# Altium PCB Controller A20.PcbDoc (part 1 of 2) (continued)
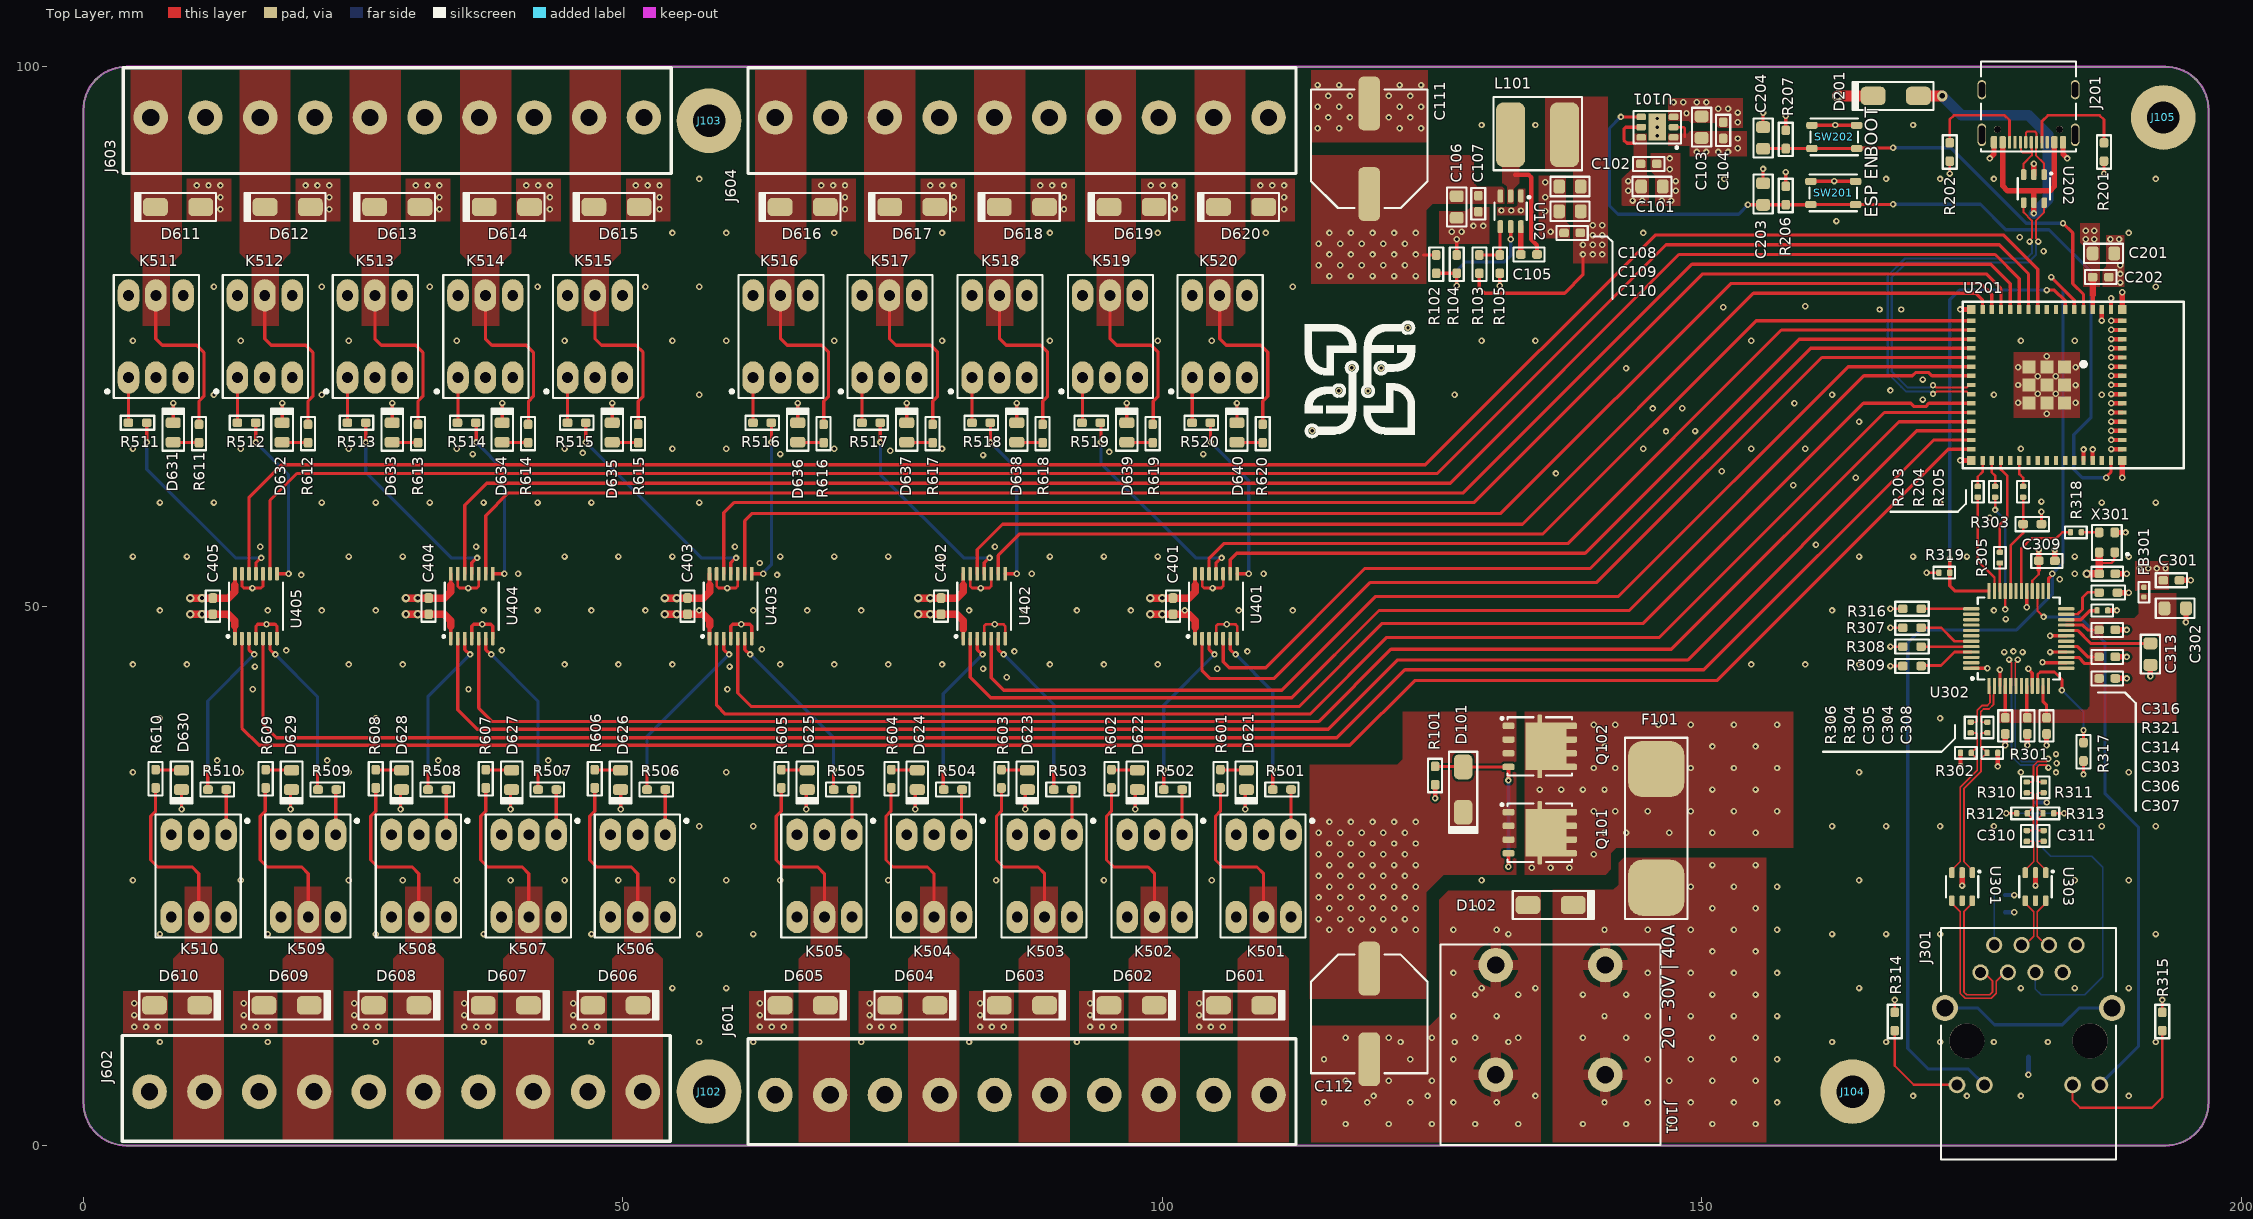
[diagram p0: Top Layer view]
## Part data (continued)
R101 R103 R104: library part "RES 162k", "162 kOhms ±1% 0.1W, 1/10W Chip Resistor 0603 (1608 Metric) Moisture Resistant Thick Film", Manufacturer=YAGEO, Mfr. Part #=RC0603FR-07162KL, Package=0603, ComponentLink1Description=Datasheet, ComponentLink1URL=https://www.yageogroup.com/content/datasheet/asset/file/PYU-RT_1-TO-0-01_ROHS_L, ComponentLink2Description="Distributor Link", ComponentLink2URL=https://www.digikey.com/en/products/detail/yageo/RC0603FR-07162KL/726975, Ext. Price=0.06, Qty.=10, Supplier=DigiKey, Supplier Part #=311-162KHRCT-ND, Unit Price=0.006
R102: library part "RES 2.4M", "2.4 MOhms ±1% 0.1W, 1/10W Chip Resistor 0603 (1608 Metric) Moisture Resistant Thick Film", Manufacturer=YAGEO, Mfr. Part #=RC0603FR-072M4L, Package=0603, ComponentLink1Description=Datasheet, ComponentLink1URL=https://www.yageogroup.com/content/datasheet/asset/file/PYU-RT_1-TO-0-01_ROHS_L, ComponentLink2Description="Distributor Link", ComponentLink2URL=https://www.digikey.com/en/products/detail/yageo/RC0603FR-072M4L/5918310, Ext. Price=0.11, Qty.=10, Supplier=DigiKey, Supplier Part #=13-RC0603FR-072M4LCT-ND, Unit Price=0.011
R105: library part "RES 22.1k", "22.1 kOhms ±1% 0.1W, 1/10W Chip Resistor 0603 (1608 Metric) Thin Film", Manufacturer=YAGEO, Mfr. Part #=RT0603FRE0722K1L, Package=0603, ComponentLink1Description=Datasheet, ComponentLink1URL=https://www.yageogroup.com/content/datasheet/asset/file/PYU-RT_1-TO-0-01_ROHS_L, ComponentLink2Description="Distributor Link", ComponentLink2URL=https://www.digikey.com/en/products/detail/yageo/RT0603FRE0722K1L/1075211, Ext. Price=0.14, Qty.=10, Supplier=DigiKey, Supplier Part #=13-RT0603FRE0722K1LCT-ND, Unit Price=0.014
R201 R202: library part "RES 5.1k", "5.1 kOhms ±1% 0.1W, 1/10W Chip Resistor 0603 (1608 Metric) Moisture Resistant Thick Film", Manufacturer=YAGEO, Mfr. Part #=RC0603FR-075K1L, Package=0603, ComponentLink1Description=Datasheet, ComponentLink1URL=https://www.yageogroup.com/content/datasheet/asset/file/PYU-RC_GROUP_51_ROHS_L, ComponentLink2Description="Distributor Link", ComponentLink2URL=https://www.digikey.com/en/products/detail/yageo/RC0603FR-075K1L/727268, Ext. Price=0.07, Qty.=10, Supplier=DigiKey, Supplier Part #=311-5.10KHRCT-ND, Unit Price=0.007
R203 R204 R205 R304 R305 R306 R310 R311 R318: library part "RES 22R", "22 Ohms ±1% 0.063W, 1/16W Chip Resistor 0402 (1005 Metric) Moisture Resistant Thick Film", Manufacturer=YAGEO, Mfr. Part #=RC0402FR-0722RL, Package=0402, ComponentLink1Description=Datasheet, ComponentLink1URL=https://www.yageogroup.com/content/datasheet/asset/file/PYU-RC_GROUP_51_ROHS_L, ComponentLink2Description="Distributor Link", ComponentLink2URL=https://www.digikey.com/en/products/detail/yageo/RC0402FR-0722RL/726562, Ext. Price=0.07, Qty.=10, Supplier=DigiKey, Supplier Part #=311-22.0LRCT-ND, Unit Price=0.007
R206 R207 R317 R601 R602 R603 R604 R605 R606 R607 R608 R609 R610 R611 R612 R613 R614 R615 R616 R617 R618 R619 R620: library part "RES 12.4k", "12.4 kOhms ±1% 0.1W, 1/10W Chip Resistor 0603 (1608 Metric) Moisture Resistant Thick Film", Manufacturer=YAGEO, Mfr. Part #=RC0603FR-0712K4L, Package=0603, ComponentLink1Description=Datasheet, ComponentLink1URL=https://www.yageogroup.com/content/datasheet/asset/file/PYU-RT_1-TO-0-01_ROHS_L, ComponentLink2Description="Distributor Link", ComponentLink2URL=https://www.digikey.com/en/products/detail/yageo/RC0603FR-0712K4L/726917, Ext. Price=0.07, Qty.=10, Supplier=DigiKey, Supplier Part #=311-12.4KHRCT-ND, Unit Price=0.007
R301 R302 R312 R313: library part "RES 49.9R", "49.9 Ohms ±1% 0.063W, 1/16W Chip Resistor 0402 (1005 Metric) Moisture Resistant Thick Film", Manufacturer=YAGEO, Mfr. Part #=RC0402FR-0749R9L, Package=0402, ComponentLink1Description=Datasheet, ComponentLink1URL=https://www.yageogroup.com/content/datasheet/asset/file/PYU-RC_GROUP_51_ROHS_L, ComponentLink2Description="Distributor Link", ComponentLink2URL=https://www.digikey.com/en/products/detail/yageo/RC0402FR-0749R9L/726621, Ext. Price=0.2, Qty.=10, Supplier=DigiKey, Supplier Part #=311-49.9LRCT-ND, Unit Price=0.02
R303 R307 R308 R309 R316 R321: library part "RES 4.7k", "4.7 kOhms ±1% 0.1W, 1/10W Chip Resistor 0603 (1608 Metric) Moisture Resistant Thick Film", Manufacturer=YAGEO, Mfr. Part #=RC0603FR-074K7L, Package=0603, ComponentLink1Description=Datasheet, ComponentLink1URL=https://www.yageogroup.com/content/datasheet/asset/file/PYU-RC_GROUP_51_ROHS_L, ComponentLink2Description="Distributor Link", ComponentLink2URL=https://www.digikey.com/en/products/detail/yageo/RC0603FR-074K7L/727212, Ext. Price=0.09, Qty.=10, Supplier=DigiKey, Supplier Part #=311-4.70KHRCT-ND, Unit Price=0.009
R314 R315 R501 R502 R503 R504 R505 R506 R507 R508 R509 R510 R511 R512 R513 R514 R515 R516 R517 R518 R519 R520: library part "RES 470R", "470 Ohms ±1% 0.1W, 1/10W Chip Resistor 0603 (1608 Metric) Thin Film", Manufacturer=YAGEO, Mfr. Part #=RT0603FRE07470RL, Package=0603, ComponentLink1Description=Datasheet, ComponentLink1URL=https://www.yageogroup.com/content/datasheet/asset/file/PYU-RT_1-TO-0-01_ROHS_L, ComponentLink2Description="Distributor Link", ComponentLink2URL=https://www.digikey.com/en/products/detail/yageo/RT0603FRE07470RL/1075383, Ext. Price=0.1, Qty.=10, Supplier=DigiKey, Supplier Part #=YAG5742CT-ND, Unit Price=0.01
R319 R320: library part "RES 10R", "10 Ohms ±1% 0.063W, 1/16W Chip Resistor 0402 (1005 Metric) Automotive AEC-Q200, Moisture Resistant Thick Film", Manufacturer=YAGEO, Mfr. Part #=AC0402FR-0710RL, Package=0402, ComponentLink1Description=Datasheet, ComponentLink1URL=https://www.yageogroup.com/content/datasheet/asset/file/PYU-AC_51_ROHS_L, ComponentLink2Description="Distributor Link", ComponentLink2URL=https://www.digikey.com/en/products/detail/yageo/AC0402FR-0710RL/5895033, Ext. Price=0.1, Qty.=10, Supplier=DigiKey, Supplier Part #=YAG3438CT-ND, Unit Price=0.01
SW201 SW202: library part "Tactile Switch", "Without Bracket 3.2mm 2.5mm Oval Button Surface Mount,Vertical 4.2mm SPST 1,000,000 Cycles 16V 1.57N SMD Tactile Switches ROHS", Manufacturer=ALPSALPINE, Package=SMD, ComponentLink1Description=Datasheet, ComponentLink1URL=https://tech.alpsalpine.com/cms.media/product_spec_skrpane010_en_1e0076b4ef.pdf, ComponentLink2Description="Distributor Link", ComponentLink2URL=https://www.digikey.com/en/products/detail/alps-alpine/SKRPANE010/26519635?s=N4IgTCBcDaIMoGkBKAFAggOQKIAYCMOIAugL5A, Ext. Price=0.27, Mfr. Part #=SKRPANE010, Qty.=1, Supplier=DigiKey, Supplier Part #=4809-SKRPANE010CT-ND, Unit Price=0.27
U101: library part "LDO 3V3 2A", "Linear Voltage Regulator IC Positive Fixed 1 Output 2A 6-DFN (3x3)", Manufacturer=STMicroelectronics, Package=DFN-6(3x3), ComponentLink1Description=Datasheet, ComponentLink1URL=https://www.st.com/content/ccc/resource/technical/document/datasheet/4b/e6/2e/a4/16/04/46/9d/DM00102135.pdf/files/DM00102135.pdf/jcr:content/translations/en.DM00102135.pdf, ComponentLink2Description="Distributor Link", ComponentLink2URL=https://www.digikey.com/en/products/detail/stmicroelectronics/LD39200PU33R/5131797, Ext. Price=1.05, Mfr. Part #=LD39200PU33R, Qty.=1, Supplier=DigiKey, Supplier Part #=497-15229-1-ND, Unit Price=1.05
U102: library part "LMR51430YDDCR Buck Converter", "Buck Switching Regulator IC Positive Adjustable 0.6V 1 Output 3A SOT-23-6 Thin, TSOT-23-6", Manufacturer="Texas Instruments", Package=TSOT-23-6, ComponentLink1Description=Datasheet, ComponentLink1URL=https://www.ti.com/lit/ds/symlink/lmr51430.pdf, ComponentLink2Description="Distributor Link", ComponentLink2URL=https://www.digikey.com/en/products/detail/texas-instruments/LMR51430YDDCR/17878361?s=N4IgTCBcDaIDIFkBKBWAjAFgMwAYCaAIgQMJIgC6AvkA, Ext. Price=1.58, Mfr. Part #=LMR51430YDDCR, Qty.=1, Supplier=DigiKey, Supplier Part #=296-LMR51430YDDCRCT-ND, Unit Price=1.58
U201: "Small-sized module supporting 2.4 GHz Wi-Fi (802.11b/g/n) and Bluetooth® 5 / Built around ESP32-S3 series of SoCs, Xtensa® dual-core 32-bit LX7 microprocessor. / Flash up to 8 MB, optional 2 MB PSRAM in chip package. / 39 GPIOs, rich set of peripherals", Manufacturer="Espressif Systems", Package=SMD, ComponentLink1Description=Datasheet, ComponentLink1URL=https://documentation.espressif.com/esp32-s3-mini-1_mini-1u_datasheet_en.pdf, ComponentLink2Description="Distributor Link", ComponentLink2URL=https://www.digikey.com/en/products/detail/espressif-systems/ESP32-S3-MINI-1-N8/15295890, Ext. Price=5.28, Mfr. Part #=ESP32-S3-MINI-1-N8, Qty.=1, Supplier=DigiKey, Supplier Part #=5407-ESP32-S3-MINI-1-N8CT-ND, Unit Price=5.28
U202 U301 U303: library part "USBLC6-2SC6 ESD Array 5.25VRWM", "17V Clamp 5A (8/20µs) Ipp Tvs Diode Surface Mount SOT-23-6", Manufacturer=STMicroelectronics, Package=SOT-23-6L, ComponentLink1Description=Datasheet, ComponentLink1URL=https://www.st.com/content/ccc/resource/technical/document/datasheet/06/1d/48/9c/6c/20/4a/b2/CD00050750.pdf/files/CD00050750.pdf/jcr:content/translations/en.CD00050750.pdf, ComponentLink2Description="Distributor Link", ComponentLink2URL=https://www.digikey.com/en/products/detail/stmicroelectronics/USBLC6-2SC6/1040559, Ext. Price=0.36, Mfr. Part #=USBLC6-2SC6, Qty.=1, Supplier=DigiKey, Supplier Part #=497-5235-1-ND, Unit Price=0.36
U302: library part "W5500 SPI to Ethernet", "Ethernet Controller 10/100 Base-T/TX PHY SPI Interface 48-LQFP (7x7)", Manufacturer=WIZnet, Package=LQFP-48(7x7), ComponentLink1Description=Datasheet, ComponentLink1URL=https://docs.wiznet.io/img/products/w5500/W5500_ds_v110e.pdf, ComponentLink2Description="Distributor Link", ComponentLink2URL=https://www.digikey.com/en/products/detail/wiznet/W5500/4425702, Ext. Price=3.67, Mfr. Part #=W5500, Qty.=1, Supplier=DigiKey, Supplier Part #=1278-W5500CT-ND, Unit Price=3.67
U401 U402 U403 U404 U405: library part "SN74LV4T125PWR Non-Inverting Buffer", "Buffer, Non-Inverting 4 Element 1 Bit per Element 3-State Output 14-TSSOP", Manufacturer="Texas Instruments", Package=14-TSSOP, ComponentLink1Description=Datasheet, ComponentLink1URL=https://www.ti.com/lit/ds/symlink/sn74lv4t125.pdf?HQS=dis-dk-null-digikeymode-dsf-pf-null-wwe&ts=1762330787956&ref_url=https%253A%252F%252Fwww.ti.com%252Fgeneral%252Fdocs%252Fsuppproductinfo.tsp%253FdistId%253D10%2526gotoUrl%253Dhttps%253A%252F%252Fwww.ti.com%252Flit%252Fgpn%252Fsn74lv4t125, ComponentLink2Description="Distributor Link", ComponentLink2URL=https://www.digikey.com/en/products/detail/texas-instruments/SN74LV4T125PWR/4806529, Ext. Price=0.79, Mfr. Part #=SN74LV4T125PWR, Qty.=1, Supplier=DigiKey, Supplier Part #=296-40545-1-ND, Unit Price=0.79
X301: library part "25MHz HCMOS Oscillator", "25 MHz XO (Standard) HCMOS Oscillator 1.6V ~ 3.6V Enable/Disable 4-SMD, No Lead", Manufacturer="ECS Inc.", Package="4-SMD (2.5x2)", ComponentLink1Description=Datasheet, ComponentLink1URL=https://ecsxtal.com/store/pdf/ECS-2520MV.pdf, ComponentLink2Description="Distributor Link", ComponentLink2URL=https://www.digikey.com/en/products/detail/ecs-inc/ECS-2520MV-250-BN-TR/8593607?s=N4IgTCBcDaIKIGEDKBaMBWMAGAsgNTXSxQCEA5FAFQCUQBdAXyA, Ext. Price=1.16, Mfr. Part #=ECS-2520MV-250-BN-TR, Qty.=1, Supplier=DigiKey, Supplier Part #=XC2751CT-ND, Unit Price=1.16

## Via types
v1: diameter 0.6, hole 0.3, Top Layer to Bottom Layer, tented both sides, 842 vias
v2: diameter 0.8, hole 0.4, Top Layer to Bottom Layer, tented both sides, 21 vias
v3: diameter 0.6, hole 0.3, Top Layer to Bottom Layer, tented top, 7 vias
v4: diameter 0.6, hole 0.3, Top Layer to Bottom Layer, tented bottom, 6 vias
v5: diameter 1, hole 0.5, Top Layer to Bottom Layer, tented both sides, 2 vias

## Nets (pads, with @x,y where several pads share a name; then routed paths per layer and width w, separated by ;. In a path a pad name is that pad's centre, name@x,y a point inside that pad or via, vN(x,y) a via of type N, cw(c..) or ccw(c..) an arc to the next point about the centre after c; other vN are vias at no path point)
1V20: C314.2 U302.22 | length 3.2
  Top Layer w0.3: U302.22@183.8,48.75 185.15,48.75 185.968,49.568 186.618,49.568 C314.2@186.65,49.6
+3V3: C103.2 C104.2 C201.2 C202.2 C301.2 C309.2 C316.2 FB301.1 R206.2 R207.2 R301.2 R302.2 R303.2 R307.2 R308.2 R309.2 R314.1 R315.1 R316.2 R319.2 R320.2 U101.1 U101.2 U201.3 U302.28 X301.1 X301.4 | length 29.6
  Top Layer w0.2: U302.28@180.65,51.4 180.65,52.35 181.25,52.95 181.25,53.35 ; 186.85,53.995 187.995,53.995 188.25,54.25 X301.1@188.25,54.983
  Top Layer w0.25: U101.2@147.4,94.4 148.304,94.4 148.45,94.254 148.45,93.525 ; v1(167.5,44.45) R309.2@168.65,44.45 ; v1(167.5,46.25) R308.2@168.65,46.25 ; v1(167.5,48.004) R307.2@168.65,48.004 ; v1(167.5,49.758) R316.2@168.65,49.758 ; R314.1@167.9,12.35 v1(167.9,13.5) ; v1(170.85,53.1) R319.2@172,53.1 ; R303.2@181.5,57.6 v1(181.5,58.75) v1@181.5,58.85 ; R315.1@192.7,12.35 v1(192.7,13.5)
  Top Layer w0.3: R206.2@157.804,88.916 v1(157.804,90.241) ; R207.2@157.804,94.116 v1(157.804,95.441)
  Top Layer w0.4: v1(174,35.15) R302.2@174,36.4 ; v1(177.454,35.15) R301.2@177.454,36.4 ; 181.25,53.35 C309.2@181.25,54.2 ; U201.3@186.25,77.5 186.25,78.85
  Top Layer w0.5: C309.2@181.25,54.2 v1(181.25,55.25)
  Top Layer w0.6: 186.25,78.85 C202.2@186.25,80.5
  Top Layer w0.7: v2(185.7,53) C316.2@186.842,53 ; C316.2@186.85,53.008 186.85,53.995 X301.4@186.85,54.983
  Bottom Layer w0.4: R320.2@178.125,23.225 v1(178.975,23.225)
  other v1: 190.6,53.5 191.4,53.5 192.2,53.5 193,53.5 185.6,84 186.4,84 185.6,84.8 186.4,84.8 149.55,92.1 150.45,92.1 151.55,92.1 152.45,92.1 153.35,92.45 153.35,93.35
+3V3A: C302.2 C303.2 C304.2 C305.2 C306.2 C307.2 C308.2 FB301.2 U302.4 | length 18.4
  Top Layer w0.3: C305.2@178.148,39.654 178.15,39.657 U302.4@178.15,42.6 ; C304.2@179.981,39.631 180.15,39.8 U302.4@180.15,42.6 ; U302.4@181.65,42.6 181.65,41.15 181.975,40.825 C308.2@181.975,39.65 ; U302.4@183.8,45.25 184.95,45.25 185.525,44.675 186.225,44.675 ; U302.4@183.8,46.25 184.85,46.25 185.8,45.3 C306.2@186.85,45.3 ; U302.4@183.8,48.25 185.35,48.25 185.8,47.8 C303.2@186.85,47.8
+5V: C101.2 C102.2 C108.2 C109.2 C110.2 C401.2 C402.2 C403.2 C404.2 C405.2 D201.2 L101.2 R103.2 U101.5 U101.6 U401.14 U402.14 U403.14 U404.14 U405.14 | length 78.2
  Top Layer w0.3: R103.2@129.4,80.85 129.4,79.5 129.9,79 137.3,79 139,80.7 v1(139,82.6) ; 143.8,92.9 143.1,92.9 142.8,93.2 142.8,94.224 142.976,94.4 U101.5@144.4,94.4
  Top Layer w0.35: 14.05,51.95 U405.14@14.05,53 ; 34.05,51.95 U404.14@34.05,53 ; 58.05,51.95 U403.14@58.05,53 ; 81.55,51.95 U402.14@81.55,53 ; 103.05,51.95 U401.14@103.05,53
  Top Layer w0.7: v2(9.9,50.75) 13.45,50.75 14.05,51.35 14.05,51.95 ; v2(29.9,50.75) 33.45,50.75 34.05,51.35 34.05,51.95 ; v2(53.9,50.75) C403.2@56,50.75 57.45,50.75 58.05,51.35 58.05,51.95 ; v2(77.4,50.75) 80.95,50.75 81.55,51.35 81.55,51.95 ; v2(98.9,50.75) C401.2@101,50.75 102.45,50.75 103.05,51.35 103.05,51.95
  Top Layer w1: v5(162.6,97.3) D201.2@165.9,97.3
  L3 (PWR) w1: 144.4,89.3 144.4,97.1 145.8,98.5 161.4,98.5 v5(162.6,97.3)
  other v1: 139.9,82.6 140.8,82.6 139,83.5 139.9,83.5 140.8,83.5 139.9,84.4 140.8,84.4 139.9,85.3 140.8,85.3 143.6,87.6 144.5,87.6 143.2,88.5 143.2,89.4
  other v2: 11,50.75 31,50.75 55,50.75 78.5,50.75 100,50.75
+24V: C106.2 C107.2 C111.1 C112.1 D101.2 K501.4 K501.6 K502.4 K502.6 K503.4 K503.6 K504.4 K504.6 K505.4 K505.6 K506.4 K506.6 K507.4 K507.6 K508.4 K508.6 K509.4 K509.6 K510.4 K510.6 K511.4 K511.6 K512.4 K512.6 K513.4 K513.6 K514.4 K514.6 K515.4 K515.6 K516.4 K516.6 K517.4 K517.6 K518.4 K518.6 K519.4 K519.6 K520.4 K520.6 Q101.1 Q102.1 R102.2 U102.3 | length 1.1
  Top Layer w0.3: 124.25,82.55 R102.2@125.4,82.55
  other v1: 115.5,20 117.5,20 119.5,20 121.5,20 123.5,20 114.5,21 116.5,21 118.5,21 120.5,21 122.5,21 115.5,22 117.5,22 119.5,22 121.5,22 123.5,22 114.5,23 116.5,23 118.5,23 120.5,23 122.5,23 115.5,24 117.5,24 119.5,24 121.5,24 123.5,24 114.5,25 116.5,25 118.5,25 120.5,25 122.5,25 115.5,26 117.5,26 119.5,26 121.5,26 123.5,26 114.5,27 116.5,27 118.5,27 120.5,27 122.5,27 115.5,28 117.5,28 119.5,28 121.5,28 123.5,28 114.5,29 116.5,29 118.5,29 120.5,29 122.5,29 115.5,30 117.5,30 119.5,30 121.5,30 123.5,30 115.5,80.6 117.5,80.6 119.5,80.6 121.5,80.6 123.5,80.6 114.5,81.6 116.5,81.6 118.5,81.6 120.5,81.6 122.5,81.6 115.5,82.6 117.5,82.6 119.5,82.6 121.5,82.6 123.5,82.6 114.5,83.6 116.5,83.6 118.5,83.6 120.5,83.6 122.5,83.6 115.5,84.6 117.5,84.6 119.5,84.6 121.5,84.6 123.5,84.6
Buck_EN: R102.1 R104.2 U102.5 | length 12.7
  Top Layer w0.3: R102.1@125.4,80.85 R104.2@127.3,80.85 v1(127.3,79.7) ; v1(132.3,84) U102.5@132.3,85.175
  Bottom Layer w0.3: v1(127.3,79.7) 127.3,81.1 128.1,81.9 131.7,81.9 132.3,82.5 v1(132.3,84)
BUFF_IN1: U201.19 U401.5 | length 84
  Top Layer w0.3: U401.5@105.65,47 105.65,44.85 106.2,44.3 109.6,44.3 118.8,53.5 139.7,53.5 160.1,73.9 U201.19@175,73.9
BUFF_IN2: U201.20 U401.2 | length 86.9
  Top Layer w0.3: U401.2@103.7,47 103.7,44 104.4,43.3 110.4,43.3 119.3,52.2 140.3,52.2 161.15,73.05 U201.20@175,73.05
BUFF_IN3: U201.21 U402.5 | length 107.4
  Top Layer w0.3: U402.5@84.15,47 84.15,43.35 85.3,42.2 111.1,42.2 119.8,50.9 142.3,50.9 163.6,72.2 U201.21@175,72.2
BUFF_IN4: U201.22 U402.2 | length 109.8
  Top Layer w0.3: U402.2@82.2,47 82.2,43.4 84.1,41.5 112,41.5 120.1,49.6 143.3,49.6 165.05,71.35 169.531,71.35 169.831,71.65 171.05,71.65 171.35,71.35 U201.22@175,71.35
BUFF_IN5: U201.25 U403.5 | length 131.8
  Top Layer w0.3: U403.5@60.65,47 60.65,41.95 61.9,40.7 112.7,40.7 120.4,48.4 144.6,48.4 165,68.8 169.4,68.8 169.7,68.5 170.769,68.5 171.069,68.8 U201.25@175,68.8
BUFF_IN6: U201.26 U403.2 | length 134.4
  Top Layer w0.3: U403.2@58.7,47 58.7,40.8 59.5,40 113.7,40 120.8,47.1 146.1,47.1 166.95,67.95 U201.26@175,67.95
BUFF_IN7: U201.27 U404.5 | length 156.8
  Top Layer w0.3: U404.5@36.65,47 36.65,40.55 37.9,39.3 114.5,39.3 121.2,46 147.2,46 168.3,67.1 U201.27@175,67.1
BUFF_IN8: U201.28 U404.2 | length 159.1
  Top Layer w0.3: U404.2@34.7,47 34.7,40.4 36.5,38.6 115.4,38.6 121.8,45 148.7,45 169.95,66.25 U201.28@175,66.25
BUFF_IN9: U201.29 U405.5 | length 178.3
  Top Layer w0.3: U405.5@16.65,47 16.65,39.05 17.9,37.8 116.2,37.8 122.5,44.1 150.2,44.1 171.5,65.4 U201.29@175,65.4
BUFF_IN10: U201.30 U405.2 | length 180.6
  Top Layer w0.3: U405.2@14.7,47 14.7,38.7 16.3,37.1 117.4,37.1 123.4,43.1 151.4,43.1 172.85,64.55 U201.30@175,64.55
BUFF_IN11: U201.9 U405.12 | length 188
  Top Layer w0.3: U405.12@15.35,53 15.35,60.05 18.4,63.1 124.4,63.1 145.7,84.4 178,84.4 181.15,81.25 U201.9@181.15,77.5
BUFF_IN12: U201.10 U405.9 | length 184
  Top Layer w0.3: U405.9@17.3,53 17.3,59.8 19.8,62.3 125.5,62.3 146.7,83.5 177.6,83.5 180.3,80.8 U201.10@180.3,77.5
BUFF_IN13: U201.11 U404.12 | length 163.9
  Top Layer w0.3: U404.12@35.35,53 35.35,59.35 37.4,61.4 126.7,61.4 147.9,82.6 177.2,82.6 179.45,80.35 U201.11@179.45,77.5
BUFF_IN14: U201.12 U404.9 | length 159.5
  Top Layer w0.3: U404.9@37.3,53 37.3,58.4 39.4,60.5 127.9,60.5 149.1,81.7 176.8,81.7 178.6,79.9 U201.12@178.6,77.5
BUFF_IN15: U201.13 U403.12 | length 136
  Top Layer w0.3: U403.12@59.35,53 59.35,58.65 60.3,59.6 128.9,59.6 150.1,80.8 176.4,80.8 177.75,79.45 U201.13@177.75,77.255
BUFF_IN16: U201.14 U403.9 | length 131.4
  Top Layer w0.3: U403.9@61.3,53 61.3,57.9 62,58.6 131.4,58.6 152.7,79.9 175.9,79.9 176.9,78.9 U201.14@176.9,77.5
BUFF_IN17: U201.15 U402.12 | length 106.4
  Top Layer w0.3: U402.12@82.85,53 82.85,55.25 85.2,57.6 133.4,57.6 154.8,79 175.4,79 176.05,78.35 U201.15@176.05,77.5
BUFF_IN18: U201.16 U402.9 | length 100.9
  Top Layer w0.3: U402.9@84.8,53 84.8,54.7 86.8,56.7 135.3,56.7 155.05,76.45 U201.16@175,76.45
BUFF_IN19: U201.17 U401.12 | length 80.9
  Top Layer w0.3: U401.12@104.35,53 104.35,54.45 105.7,55.8 137.6,55.8 157.4,75.6 U201.17@175,75.6
BUFF_IN20: U201.18 U401.9 | length 78.5
  Top Layer w0.3: U401.9@106.3,53 106.3,54.3 106.9,54.9 139.2,54.9 159.05,74.75 U201.18@175,74.75
BUFF_OUT1: R501.1 U401.6 | length 15.6
  Top Layer w0.3: U401.6@106.3,47 106.3,45.975 v1@106.75,45.525 ; v1(110.241,34.82) 110.243,34.818 110.243,32.997 R501.1@110.245,32.995
  Bottom Layer w0.3: v1(106.8,45.525) 110.241,42.084 v1(110.241,34.82)
BUFF_OUT2: R502.1 U401.3 | length 16.1
  Top Layer w0.3: v1(100.141,34.82) 100.143,34.818 100.143,32.997 R502.1@100.145,32.995 ; U401.3@104.35,47 104.35,45.975 v1@104.8,45.525
  Bottom Layer w0.3: v1(100.141,34.82) 100.141,40.816 v1(104.85,45.525)
BUFF_OUT3: R503.1 U402.6 | length 16.1
  Top Layer w0.3: U402.6@84.8,47 84.8,45.975 v1@85.25,45.525 ; v1(89.941,34.82) 89.943,34.818 89.943,32.997 R503.1@89.945,32.995
  Bottom Layer w0.3: v1(85.3,45.525) 89.941,40.884 v1(89.941,34.82)
BUFF_OUT4: R504.1 U402.3 | length 15.7
  Top Layer w0.3: v1(79.697,34.82) 79.699,34.818 79.699,32.997 R504.1@79.701,32.995 ; U402.3@82.85,47 82.85,45.975 v1@83.3,45.525
  Bottom Layer w0.3: v1(79.697,34.82) 79.697,41.872 v1(83.35,45.525)
BUFF_OUT5: R505.1 U403.6 | length 17.4
  Top Layer w0.3: U403.6@61.3,47 61.3,45.975 v1@61.75,45.525 ; v1(69.537,34.82) 69.539,34.818 69.539,32.997 R505.1@69.541,32.995
  Bottom Layer w0.3: v1(61.8,45.525) 69.537,37.788 v1(69.537,34.82)
BUFF_OUT6: R506.1 U403.3 | length 17.3
  Top Layer w0.3: v1(52.24,34.82) 52.242,34.818 52.242,32.997 R506.1@52.244,32.995 ; U403.3@59.35,47 59.35,45.975 v1@59.8,45.525
  Bottom Layer w0.3: v1(52.24,34.82) 52.24,37.915 v1(59.85,45.525)
BUFF_OUT7: R507.1 U404.6 | length 16
  Top Layer w0.3: U404.6@37.3,47 37.3,45.975 v1@37.75,45.525 ; v1(42.14,34.82) 42.142,34.818 42.142,32.997 R507.1@42.144,32.995
  Bottom Layer w0.3: v1(37.8,45.525) 42.14,41.185 v1(42.14,34.82)
BUFF_OUT8: R508.1 U404.3 | length 15.8
  Top Layer w0.3: v1(31.94,34.82) 31.942,34.818 31.942,32.997 R508.1@31.944,32.995 ; U404.3@35.35,47 35.35,45.975 v1@35.8,45.525
  Bottom Layer w0.3: v1(31.94,34.82) 31.94,41.615 v1(35.85,45.525)
BUFF_OUT9: R509.1 U405.6 | length 15.8
  Top Layer w0.3: U405.6@17.3,47 17.3,45.975 v1@17.75,45.525 ; v1(21.696,34.82) 21.698,34.818 21.698,32.997 R509.1@21.7,32.995
  Bottom Layer w0.3: v1(17.8,45.525) 21.696,41.629 v1(21.696,34.82)
BUFF_OUT10: R510.1 U405.3 | length 16
  Top Layer w0.3: v1(11.536,34.82) 11.538,34.818 11.538,32.997 R510.1@11.54,32.995 ; U405.3@15.35,47 15.35,45.975 v1@15.8,45.525
  Bottom Layer w0.3: v1(11.536,34.82) 11.536,41.211 v1(15.85,45.525)
BUFF_OUT11: R511.1 U405.11 | length 20
  Top Layer w0.3: R511.1@5.871,67 5.873,66.998 5.873,65.177 v1(5.875,65.175) ; U405.11@16,53 16,54.025 16.45,54.475 v1(16.5,54.475)
  Bottom Layer w0.3: v1(5.875,65.175) 5.875,62.7 14.1,54.475 v1(16.5,54.475)
BUFF_OUT12: R512.1 U405.8 | length 16.3
  Top Layer w0.3: R512.1@15.971,67 15.973,66.998 15.973,65.177 v1(15.975,65.175) ; U405.8@17.95,53 v1(19.025,53)
  Bottom Layer w0.3: v1(15.975,65.175) 19.025,62.125 v1(19.025,53)
BUFF_OUT13: R513.1 U404.11 | length 19.9
  Top Layer w0.3: R513.1@26.171,67 26.173,66.998 26.173,65.177 v1(26.175,65.175) ; U404.11@36,53 36,54.025 36.45,54.475 v1(36.5,54.475)
  Bottom Layer w0.3: v1(26.175,65.175) 26.175,62.4 34.1,54.475 v1(36.5,54.475)
BUFF_OUT14: R514.1 U404.8 | length 16.2
  Top Layer w0.3: R514.1@36.415,67 36.417,66.998 36.417,65.177 v1(36.419,65.175) ; U404.8@37.95,53 v1(39.025,53)
  Bottom Layer w0.3: v1(36.419,65.175) 39.025,62.569 v1(39.025,53)
BUFF_OUT15: R515.1 U403.11 | length 21.9
  Top Layer w0.3: R515.1@46.575,67 46.577,66.998 46.577,65.177 v1(46.579,65.175) ; U403.11@60,53 60,54.025 60.45,54.475 v1(60.5,54.475)
  Bottom Layer w0.3: v1(46.579,65.175) 57.279,54.475 v1(60.5,54.475)
BUFF_OUT16: R516.1 U403.8 | length 15.4
  Top Layer w0.3: U403.8@61.95,53 v1(63.025,53) ; R516.1@63.774,67.005 63.776,67.003 63.776,65.182 v1(63.778,65.18)
  Bottom Layer w0.3: v1(63.025,53) 63.025,53.081 63.778,53.834 v1(63.778,65.18)
BUFF_OUT17: R517.1 U402.11 | length 19.8
  Top Layer w0.3: R517.1@73.874,67.005 73.876,67.003 73.876,65.182 v1(73.878,65.18) ; U402.11@83.5,53 83.5,54.025 83.95,54.475 v1(84,54.475)
  Bottom Layer w0.3: v1(73.878,65.18) 73.878,62.197 81.6,54.475 v1(84,54.475)
BUFF_OUT18: R518.1 U402.8 | length 16.1
  Top Layer w0.3: R518.1@84.074,67.005 84.076,67.003 84.076,65.182 v1(84.078,65.18) ; U402.8@85.45,53 v1(86.525,53)
  Bottom Layer w0.3: v1(84.078,65.18) 86.525,62.733 v1(86.525,53)
BUFF_OUT19: R519.1 U401.11 | length 20.3
  Top Layer w0.3: R519.1@94.318,67.005 94.32,67.003 94.32,65.182 v1(94.322,65.18) ; U401.11@105,53 105,54.025 105.45,54.475 v1(105.5,54.475)
  Bottom Layer w0.3: v1(94.322,65.18) 94.322,63.253 103.1,54.475 v1(105.5,54.475)
BUFF_OUT20: R520.1 U401.8 | length 16.5
  Top Layer w0.3: R520.1@104.478,67.005 104.48,67.003 104.48,65.182 v1(104.482,65.18) ; U401.8@106.95,53 v1(108.025,53)
  Bottom Layer w0.3: v1(104.482,65.18) 108.025,61.637 v1(108.025,53)
CB: C105.1 U102.6 | length 2.6
  Top Layer w0.5: C105.1@133.25,82.6 133.25,84.825 U102.6@133.25,85.175
CC1: J201.A5 R201.2 | length 10.2
  Top Layer w0.25: J201.A5@181.55,93 181.55,94.95 182.1,95.5 186.9,95.5 187.3,95.1 R201.2@187.3,93
CC2: J201.B5 R202.2 | length 10.1
  Top Layer w0.25: R202.2@173,92.95 173,95.1 173.4,95.5 178.1,95.5 178.55,95.05 J201.B5@178.55,93
CLK_25MHz: R318.1 X301.3 | length 1.7
  Top Layer w0.23: R318.1@185.2,56.85 185.209,56.841 186.891,56.841 X301.3@186.9,56.833
CRD: C312.2 J301.5 R312.1 R313.1 | length 36
  Top Layer w0.2: v1(178.246,30.8) R312.1@179.196,30.8 ; R313.1@182.65,30.8 v1(183.6,30.8)
  Bottom Layer w0.16: v1(178.246,30.8) C312.2@180.95,30.8 ; J301.5@181.016,16.131 J301.5@180.935,16.05 180.935,14.515 181.475,13.975 185.5,13.975 187.175,15.65 187.175,25.8 186.15,26.825 182.375,26.825 180.95,28.25 C312.2@180.95,30.8 ; v1(183.6,30.8) C312.2@180.95,30.8
CTD: C317.2 J301.2 R320.1 | length 4.6
  Bottom Layer w0.16: J301.2@177.125,18.59 R320.1@177.125,23.225
ESP32_CLK: R204.2 U201.32 | length 2.5
  Top Layer w0.23: U201.32@176.9,63.5 176.9,62.4 177.2,62.1 R204.2@177.2,61.1
ESP32_CS: R205.2 U201.35 | length 2.5
  Top Layer w0.23: U201.35@179.45,63.5 179.45,62.25 179.8,61.9 R205.2@179.8,61.1
ESP32_D_N: U201.23 U202.6 | length 36.6
  Top Layer w0.2: v1(171.45,70.475) 171.552,70.475 171.767,70.26 174.583,70.26 174.7,70.377 174.7,70.4 174.8,70.5 U201.23@175,70.5 ; v1(181.2,83.8) 181.2,83.902 180.985,84.117 180.985,85.736 181.75,86.501 U202.6@181.75,87.4
  Bottom Layer w0.2: v1(171.45,70.475) 171.348,70.475 171.133,70.26 169.115,70.26 167.625,71.75 167.625,80.475 169.005,81.855 178.493,81.855 180.293,81.855 180.985,82.547 180.985,83.483 181.2,83.698 v1(181.2,83.8)
ESP32_D_P: U201.24 U202.4 | length 37.2
  Top Layer w0.2: v1(171.45,69.675) 171.552,69.675 171.767,69.89 174.583,69.89 174.7,69.773 174.7,69.75 174.8,69.65 U201.24@175,69.65 ; U202.4@179.85,87.4 179.85,86.501 180.615,85.736 180.615,84.117 180.4,83.902 v1(180.4,83.8)
  Bottom Layer w0.2: v1(171.45,69.675) 171.348,69.675 171.133,69.89 168.962,69.89 168.513,70.338 167.255,71.597 167.255,80.628 168.852,82.225 180.14,82.225 180.615,82.7 180.615,83.483 180.4,83.698 v1(180.4,83.8)
ESP32_EN: C203.2 R206.1 SW201.1 U101.4 U201.45 | length 82.6
  Top Layer w0.3: v1(142.525,95.35) U101.4@144.4,95.35 ; v1(154.3,87.2) C203.2@155.7,87.2 155.713,87.213 160.112,87.213 SW201.1@160.125,87.225 SW201.1@164.275,87.225 164.288,87.238 167.738,87.238 v1(167.75,87.25) ; v1(187.5,61.9) 187.5,61.981 187.95,62.431 U201.45@187.95,63.5
  Bottom Layer w0.3: v1(142.525,95.35) 141.462,94.287 141.462,87.113 142.25,86.325 153.425,86.325 v1(154.3,87.2) ; v1(167.75,87.25) 175.85,87.25 178.2,84.9 182.2,84.9 186.1,81 186.1,67.5 184.5,65.9 184.5,62.7 185.3,61.9 v1(187.5,61.9)
ESP32_IO0: C204.2 R207.1 SW202.1 U201.4 | length 39.5
  Top Layer w0.3: C204.2@155.7,92.4 155.712,92.412 160.212,92.412 SW202.1@160.225,92.425 SW202.1@164.375,92.425 164.387,92.412 164.438,92.462 167.712,92.462 v1(167.75,92.5) ; v1(183.5,85.5) 184.4,84.6 184.4,79.9 185.4,78.9 U201.4@185.4,77.5
  Bottom Layer w0.3: v1(167.75,92.5) 173.1,92.5 180.1,85.5 v1(183.5,85.5)
ESP32_MISO: R305.1 U201.33 | length 9
  Top Layer w0.23: R305.1@177.65,55 177.65,55.425 177.65,57.564 177.65,57.575 178.35,58.275 178.35,60.65 178.35,62.05 177.75,62.65 U201.33@177.75,63.5
ESP32_MOSI: R203.2 U201.31 | length 2.6
  Top Layer w0.23: R203.2@175.6,61.1 175.6,62 176.05,62.45 U201.31@176.05,63.5
ETH_RX_N: C311.2 U303.1 | length 3.5
  Top Layer w0.16: C311.2@181.7,28.2 181.209,28.2 181.115,28.106 181.115,27.88 181.115,26.335 U303.1@181.9,25.55